# Altium PCB BitFury.PcbDoc (part 1 of 4) (continued)
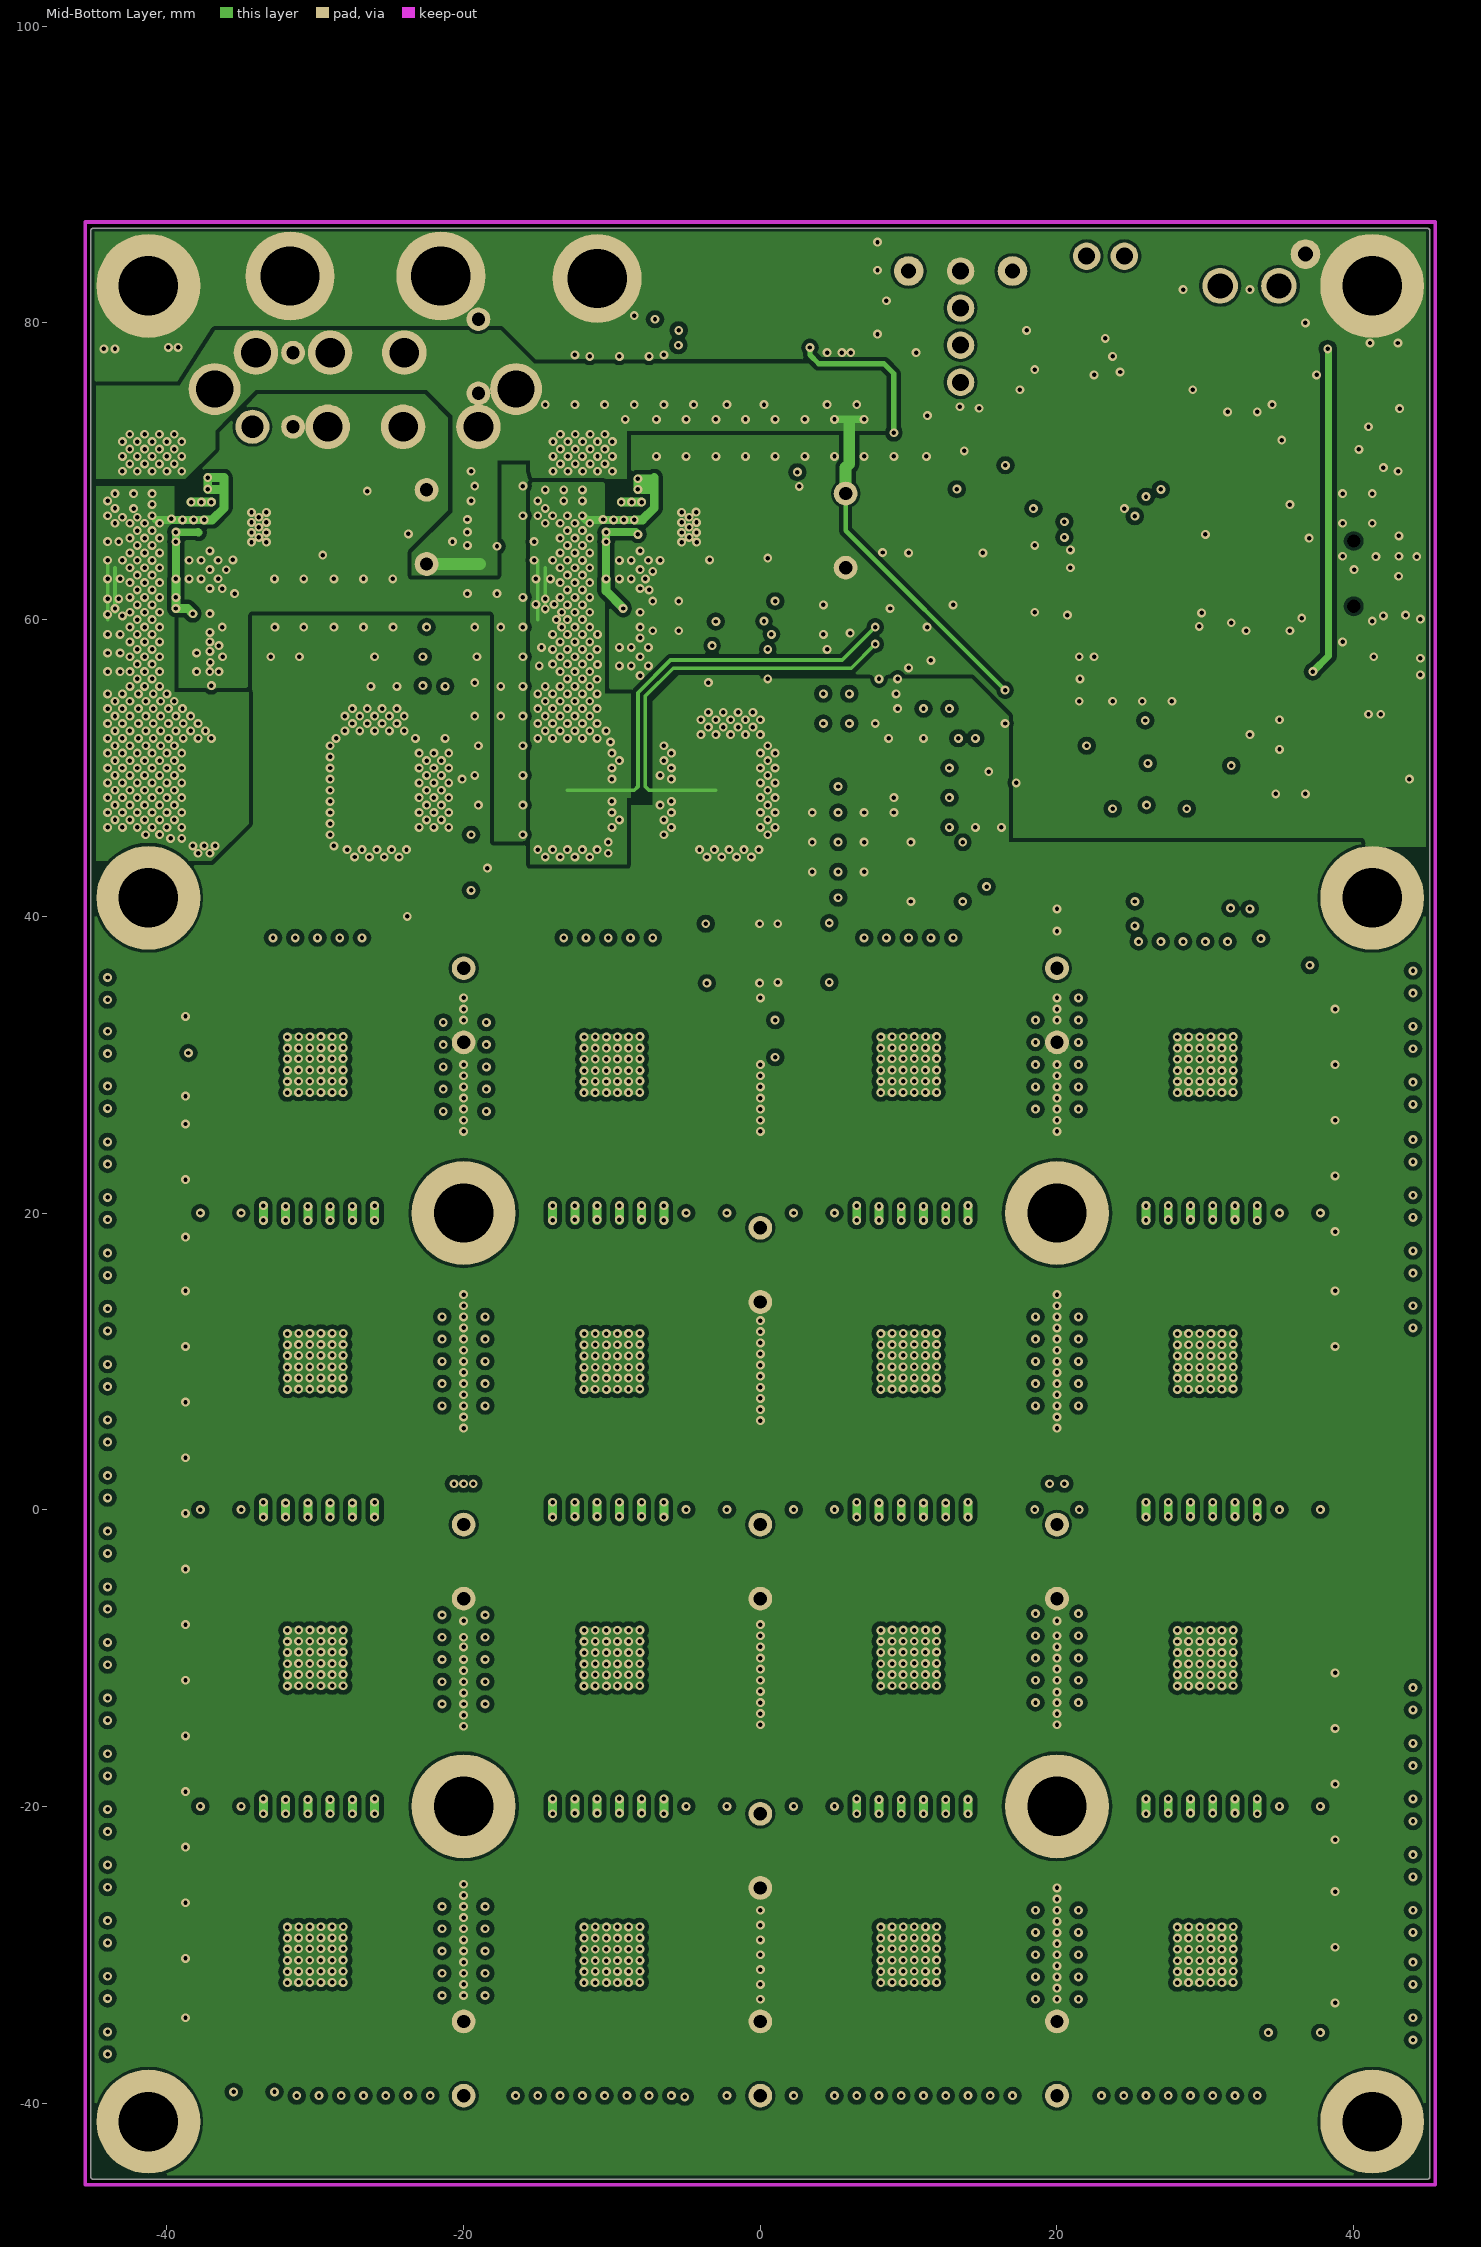
[diagram p3: Mid-Bottom Layer]
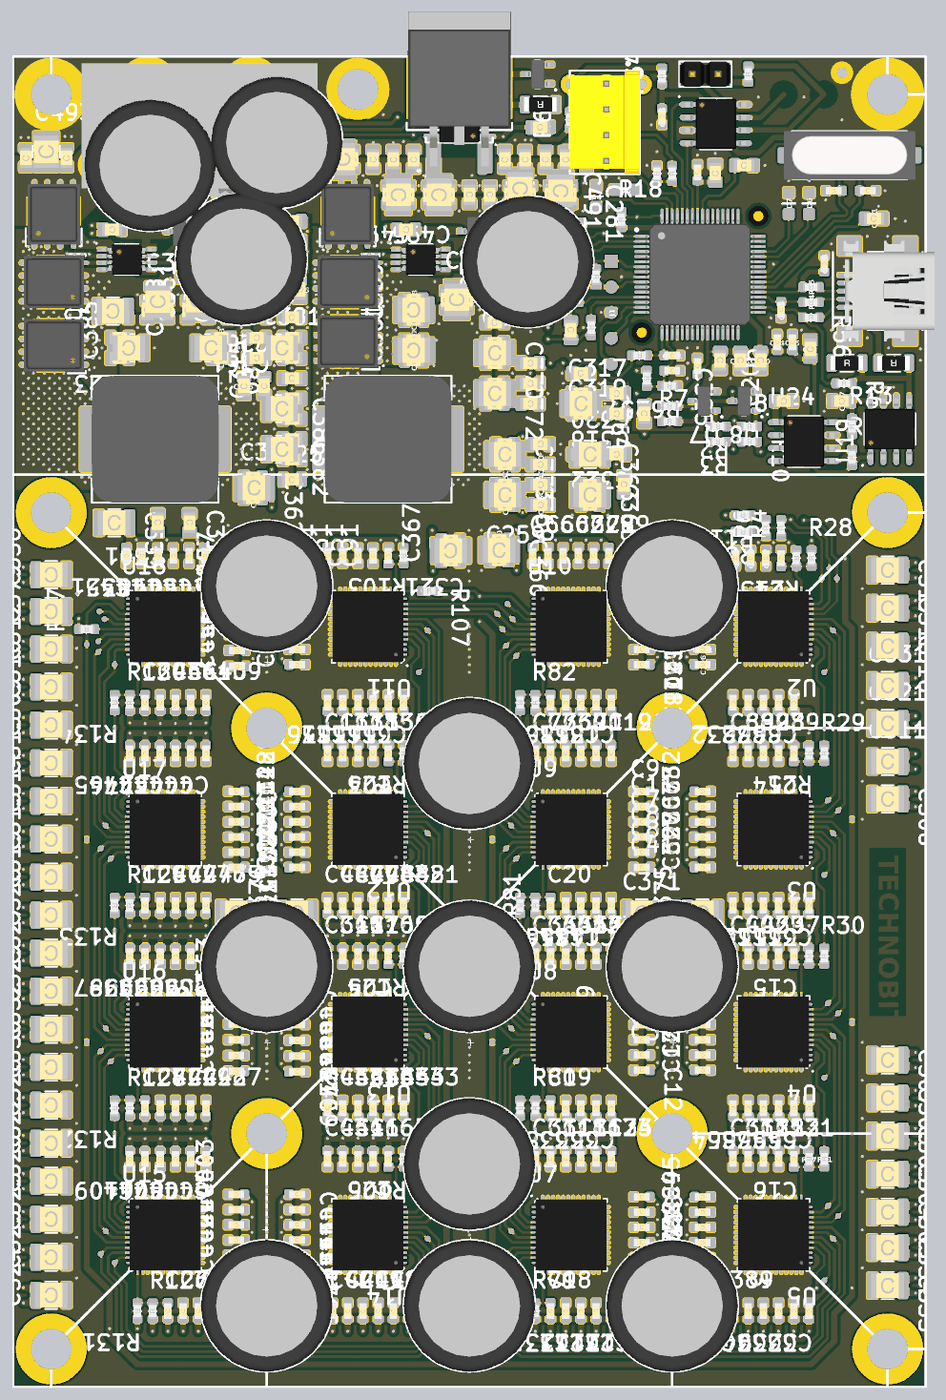
[diagram p7: 3D render of the assembled board from above, using the file's embedded part models]

## Layer stack, top to bottom
Top Layer: signal copper 0.0356
Dielectric: prepreg 0.32, FR-4, Dk 4.8
Mid-Top Layer: signal copper 0.0356
Dielectric: core 0.32, FR-4, Dk 4.8
Mid-Bottom Layer: signal copper 0.0356
Dielectric: prepreg 0.32, FR-4, Dk 4.8
Bottom Layer: signal copper 0.0356

## Board outline
-45.125,-45 ccw(c-45,-45) -45,-45.125 45,-45.125 ccw(c45,-45) 45.125,-45 45.125,86.25 ccw(c45,86.25) 45,86.375 -45,86.375 ccw(c-45,86.25) -45.125,86.25

## Design rules (kind name [scope] priority, off if disabled: settings)
Clearance ClearancePad [(InPadClass('All Pads'))] p1: gap=0.2
Clearance "Clearance Bord Outline" [(OnLayer('Keep-Out Layer'))] p2: gap=0.5
Clearance "Clearance Polygon" [InPolygon] p3: gap=0.3
Clearance "Clearance Component Footprint" [(InComponentClass('All Components'))] p4: gap=0.2
Clearance [All] p5: gap=0.25
ComponentClearance [All] p1: gap=0.25 collisioncheckmode=3 verticalgap=0.25 showdistances=FALSE
DiffPairsRouting [All] p1: maxlimit=0.25 minlimit=0.25 mostfreqgap=0.25 maxuncoupledlength=12.7
HoleToHoleClearance [All] p1: gap=0.15 allowstackedmicrovias=TRUE
MinimumSolderMaskSliver [All] p1: minsoldermaskwidth=0.1
PolygonConnect "PolygonConnect Relief Connect" [(IsNamedPolygon('T 1.2V AVALON')) or (IsNamedPolygon('ZZZT GND MCU HALF'))] p1 off: connectstyle=Relief reliefconductorwidth=0.25 reliefentries=4 polygonreliefangle="90 Angle"
PolygonConnect [All] p2: connectstyle=Direct reliefconductorwidth=0.254 reliefentries=4 polygonreliefangle="90 Angle"
RoutingVias [All] p1: holewidth=0.3 width=0.6 viastyle="Through Hole" minholewidth=0.3 minwidth=0.6 maxholewidth=0.5 maxwidth=1.3
SilkscreenOverComponentPads [All] p1: minsilkscreentomaskgap=0.254
SolderMaskExpansion [All] p1: expansion=0.1
Width [All] p1: maxlimit=2 minlimit=0.25 preferedwidth=0.25
23 further rules are at their usual default settings.

## Components (designator, comment, footprint, x,y, rotation, side; value= is the part's Value field where it differs from the comment)
C2 "470nF" SMD_0603_CAPC1608X80N 17,-6.25 r0 top
C3 "470nF" SMD_0603_CAPC1608X80N 17,-12.25 r0 top
C4 "470nF" SMD_0603_CAPC1608X80N 17,-9.25 r0 top
C5 "470nF" SMD_0603_CAPC1608X80N 17,-7.75 r0 top
C6 "470nF" SMD_0603_CAPC1608X80N 17,-10.75 r0 top
C7 "470nF" SMD_0603_CAPC1608X80N 17,10.75 r0 top
C8 "470nF" SMD_0603_CAPC1608X80N 17,9.25 r0 top
C9 "470nF" SMD_0603_CAPC1608X80N 17,13.75 r0 top
C11 "470nF" SMD_0603_CAPC1608X80N 17,12.25 r0 top
C12 "470nF" SMD_0603_CAPC1608X80N 23,-13.75 r180 top
C13 "470nF" SMD_0603_CAPC1608X80N 30.75,36.75 r270 top
C14 "470nF" SMD_0603_CAPC1608X80N 32,17.5 r270 top
C15 "470nF" SMD_0603_CAPC1608X80N 32,-2.5 r270 top
C16 "470nF" SMD_0603_CAPC1608X80N 32,-22.5 r270 top
C17 "10uF/16V" SMD_0805_CAPC2012X145N 27.1,75.5 r0 top
C18 "470nF" SMD_0603_CAPC1608X80N 8,-37.5 r90 top
C19 "470nF" SMD_0603_CAPC1608X80N 8,-17.5 r90 top
C20 "470nF" SMD_0603_CAPC1608X80N 8,2.5 r90 top
C21 "470nF" SMD_0603_CAPC1608X80N 8,22.5 r90 top
C22 "470nF" SMD_0603_CAPC1608X80N -8,37 r270 top
C23 "470nF" SMD_0603_CAPC1608X80N -8,17.5 r270 top
C24 "470nF" SMD_0603_CAPC1608X80N -8,-2.5 r270 top
C25 "470nF" SMD_0603_CAPC1608X80N -8,-22.5 r270 top
C26 "470nF" SMD_0603_CAPC1608X80N -29.75,-37.5 r90 top
C27 "470nF" SMD_0603_CAPC1608X80N -32,-17.5 r90 top
C28 "470nF" SMD_0603_CAPC1608X80N -32,2.5 r90 top
C29 "470nF" SMD_0603_CAPC1608X80N -32,22.5 r90 top
C30 "470nF" SMD_0603_CAPC1608X80N 30.5,-37.5 r270 top
C32 "470nF" SMD_0603_CAPC1608X80N 33.5,-37.5 r270 top
C33 "470nF" SMD_0603_CAPC1608X80N 12.5,-17.5 r270 top
C34 "100nF" SMD_0603_CAPC1608X80N 30.375,58.05 r90 top
C35 "470nF" SMD_0603_CAPC1608X80N 14,-17.5 r270 top
C36 "470nF" SMD_0603_CAPC1608X80N 23,-12.25 r180 top
C37 "470nF" SMD_0603_CAPC1608X80N 30.5,-2.5 r90 top
C39 "470nF" SMD_0603_CAPC1608X80N 29,-2.5 r90 top
C40 "470nF" SMD_0603_CAPC1608X80N 26,-2.5 r90 top
C41 "470nF" SMD_0603_CAPC1608X80N 17,6.25 r0 top
C42 "470nF" SMD_0603_CAPC1608X80N 27.5,-2.5 r90 top
C43 "470nF" SMD_0603_CAPC1608X80N -14,-22.5 r90 top
C44 "470nF" SMD_0603_CAPC1608X80N -12.5,-22.5 r90 top
C46 "470nF" SMD_0603_CAPC1608X80N 27.5,-37.5 r270 top
C48 "470nF" SMD_0603_CAPC1608X80N 23,-6.25 r180 top
C49 "470nF" SMD_0603_CAPC1608X80N 32,-17.5 r270 top
C50 "470nF" SMD_0603_CAPC1608X80N 23,-7.75 r180 top
C51 "470nF" SMD_0603_CAPC1608X80N -11,37 r90 top
C52 "470nF" SMD_0603_CAPC1608X80N 23,-10.75 r180 top
C53 "470nF" SMD_0603_CAPC1608X80N 23,-9.25 r180 top
C54 "470nF" SMD_0603_CAPC1608X80N 26,-17.5 r270 top
C55 "470nF" SMD_0603_CAPC1608X80N 33.5,-17.5 r270 top
C56 "470nF" SMD_0603_CAPC1608X80N 27.5,-17.5 r270 top
C57 "470nF" SMD_0603_CAPC1608X80N 30.5,-17.5 r270 top
C58 "470nF" SMD_0603_CAPC1608X80N 29,-17.5 r270 top
C60 "470nF" SMD_0603_CAPC1608X80N 7.75,37 r90 top
C61 "470nF" SMD_0603_CAPC1608X80N -12.5,37 r90 top
C62 "470nF" SMD_0603_CAPC1608X80N 9.25,37 r90 top
C63 "22uF/6.3V" SMD_0805_CAPC2012X145N 33.625,57.4 r90 top
C64 "470nF" SMD_0603_CAPC1608X80N 23,33.75 r180 top
C66 "470nF" SMD_0603_CAPC1608X80N 6.25,37 r90 top
C67 "470nF" SMD_0603_CAPC1608X80N 23,10.75 r180 top
C68 "470nF" SMD_0603_CAPC1608X80N 23,12.25 r180 top
C69 "470nF" SMD_0603_CAPC1608X80N 9.5,17.5 r90 top
C70 "470nF" SMD_0603_CAPC1608X80N 11,17.5 r90 top
C71 "470nF" SMD_0603_CAPC1608X80N -14,37 r90 top
C72 "100nF" SMD_0603_CAPC1608X80N 10.9,65.275 r270 top
C73 "100nF" SMD_0603_CAPC1608X80N 22.5,55.7 r90 top
C74 "100nF" SMD_0603_CAPC1608X80N 22.5,74.8 r90 top
C75 "100nF" SMD_0603_CAPC1608X80N 31.875,58.05 r90 top
C76 "100nF" SMD_0603_CAPC1608X80N 6.05,60.95 r270 top
C77 "470nF" SMD_0603_CAPC1608X80N 6.5,17.5 r90 top
C78 "470nF" SMD_0603_CAPC1608X80N 12.25,37 r90 top
C79 "470nF" SMD_0603_CAPC1608X80N 13.75,37 r90 top
C80 "470nF" SMD_0603_CAPC1608X80N 23,9.25 r180 top
C81 "470nF" SMD_0603_CAPC1608X80N 17,7.75 r0 top
C82 "470nF" SMD_0603_CAPC1608X80N 29,22.5 r270 top
C83 "470nF" SMD_0603_CAPC1608X80N 27.5,22.5 r270 top
C84 "470nF" SMD_0603_CAPC1608X80N 32,22.5 r270 top
C85 "18pF" SMD_0603_CAPC1608X80N 39.3,73 r0 top
C86 "18pF" SMD_0603_CAPC1608X80N 35.95,73 r180 top
C87 "470nF" SMD_0603_CAPC1608X80N 30.5,22.5 r270 top
C88 "470nF" SMD_0603_CAPC1608X80N 26,17.5 r90 top
C89 "470nF" SMD_0603_CAPC1608X80N 30.5,17.5 r90 top
C90 "470nF" SMD_0603_CAPC1608X80N 23,7.75 r180 top
C91 "470nF" SMD_0603_CAPC1608X80N -9.5,37 r90 top
C92 "470nF" SMD_0603_CAPC1608X80N 27.5,17.5 r90 top
C93 "470nF" SMD_0603_CAPC1608X80N 29,17.5 r90 top
C94 "470nF" SMD_0603_CAPC1608X80N 23,-27.75 r180 top
C95 "470nF" SMD_0603_CAPC1608X80N 23,-26.25 r180 top
C96 "470nF" SMD_0603_CAPC1608X80N 23,-29.25 r180 top
C97 "470nF" SMD_0603_CAPC1608X80N 23,-33.75 r180 top
C98 "470nF" SMD_0603_CAPC1608X80N 23,-30.75 r180 top
C100 "470nF" SMD_0603_CAPC1608X80N 27.5,2.5 r270 top
C102 "470nF" SMD_0603_CAPC1608X80N 29,2.5 r270 top
C103 "470nF" SMD_0603_CAPC1608X80N 23,35.25 r180 top
C105 "470nF" SMD_0603_CAPC1608X80N 23,32.25 r180 top
C106 "470nF" SMD_0603_CAPC1608X80N 23,26.25 r180 top
C107 "470nF" SMD_0603_CAPC1608X80N 29.25,36.75 r90 top
C108 "470nF" SMD_0603_CAPC1608X80N 27.75,36.75 r90 top
C109 "470nF" SMD_0603_CAPC1608X80N 23,30.75 r180 top
C110 "470nF" SMD_0603_CAPC1608X80N 26.25,36.75 r90 top
C111 "470nF" SMD_0603_CAPC1608X80N 23,27.75 r180 top
C112 "470nF" SMD_0603_CAPC1608X80N 23,29.25 r180 top
C113 "470nF" SMD_0603_CAPC1608X80N 32,2.5 r270 top
C114 "470nF" SMD_0603_CAPC1608X80N 30.5,2.5 r270 top
C115 "470nF" SMD_0603_CAPC1608X80N 23,-37.5 r270 top
C116 "470nF" SMD_0603_CAPC1608X80N 9.5,-22.5 r90 top
C117 "470nF" SMD_0603_CAPC1608X80N 11,-22.5 r90 top
C118 "470nF" SMD_0603_CAPC1608X80N 8,-22.5 r90 top
C119 "470nF" SMD_0603_CAPC1608X80N 12.5,17.5 r90 top
C120 "470nF" SMD_0603_CAPC1608X80N 14,17.5 r90 top
C121 "470nF" SMD_0603_CAPC1608X80N 30.5,-22.5 r90 top
C122 "470nF" SMD_0603_CAPC1608X80N 17,-37.5 r270 top
C123 "470nF" SMD_0603_CAPC1608X80N 29,-22.5 r90 top
C124 "470nF" SMD_0603_CAPC1608X80N 12.5,-22.5 r90 top
C125 "470nF" SMD_0603_CAPC1608X80N 27.5,-22.5 r90 top
C126 "470nF" SMD_0603_CAPC1608X80N 17,-13.75 r0 top
C127 "470nF" SMD_0603_CAPC1608X80N 14,-37.5 r270 top
C128 "470nF" SMD_0603_CAPC1608X80N -17,12.25 r180 top
C129 "470nF" SMD_0603_CAPC1608X80N -17,13.75 r180 top
C130 "470nF" SMD_0603_CAPC1608X80N 9.5,-37.5 r270 top
C131 "470nF" SMD_0603_CAPC1608X80N 15.5,-37.5 r270 top
C132 "470nF" SMD_0603_CAPC1608X80N 12.5,-37.5 r270 top
C133 "470nF" SMD_0603_CAPC1608X80N 11,-37.5 r270 top
C134 "470nF" SMD_0603_CAPC1608X80N -17,10.75 r180 top
C135 "470nF" SMD_0603_CAPC1608X80N -11,17.5 r90 top
C136 "470nF" SMD_0603_CAPC1608X80N -9.5,17.5 r90 top
C137 "470nF" SMD_0603_CAPC1608X80N -14,17.5 r90 top
C138 "470nF" SMD_0603_CAPC1608X80N -12.5,17.5 r90 top
C139 "470nF" SMD_0603_CAPC1608X80N -17,7.75 r180 top
C140 "470nF" SMD_0603_CAPC1608X80N -17,9.25 r180 top
C142 "470nF" SMD_0603_CAPC1608X80N -17,6.25 r180 top
C144 "470nF" SMD_0603_CAPC1608X80N 9.5,2.5 r270 top
C145 "470nF" SMD_0603_CAPC1608X80N 12.5,2.5 r270 top
C146 "470nF" SMD_0603_CAPC1608X80N 11,2.5 r270 top
C148 "470nF" SMD_0603_CAPC1608X80N 14,2.5 r270 top
C149 "470nF" SMD_0603_CAPC1608X80N 17,-27.75 r0 top
C150 "470nF" SMD_0603_CAPC1608X80N 17,-26.25 r0 top
C152 "470nF" SMD_0603_CAPC1608X80N 17,-29.25 r0 top
C153 "470nF" SMD_0603_CAPC1608X80N 17,-33.75 r0 top
C154 "470nF" SMD_0603_CAPC1608X80N 17,-32.25 r0 top
C155 "470nF" SMD_0603_CAPC1608X80N 17,-30.75 r0 top
C156 "470nF" SMD_0603_CAPC1608X80N -12.5,22.5 r270 top
C157 "470nF" SMD_0603_CAPC1608X80N -11,22.5 r270 top
C158 "470nF" SMD_0603_CAPC1608X80N -9.5,22.5 r270 top
C159 "470nF" SMD_0603_CAPC1608X80N -14,22.5 r270 top
C160 "470nF" SMD_0603_CAPC1608X80N 17,29.25 r0 top
C161 "470nF" SMD_0603_CAPC1608X80N 17,32.25 r0 top
C162 "470nF" SMD_0603_CAPC1608X80N 17,33.75 r0 top
C163 "470nF" SMD_0603_CAPC1608X80N -8,22.5 r270 top
C164 "470nF" SMD_0603_CAPC1608X80N -16.5,-37.5 r270 top
C165 "470nF" SMD_0603_CAPC1608X80N -9.5,-22.5 r90 top
C166 "470nF" SMD_0603_CAPC1608X80N -11,-22.5 r90 top
C167 "470nF" SMD_0603_CAPC1608X80N -12.5,-2.5 r90 top
C169 "470nF" SMD_0603_CAPC1608X80N -9.5,-2.5 r90 top
C170 "470nF" SMD_0603_CAPC1608X80N -11,-2.5 r90 top
C171 "470nF" SMD_0603_CAPC1608X80N 17,27.75 r0 top
C172 "470nF" SMD_0603_CAPC1608X80N -17,26.25 r180 top
C173 "470nF" SMD_0603_CAPC1608X80N -23,6.25 r0 top
C174 "470nF" SMD_0603_CAPC1608X80N -23,7.75 r0 top
C175 "470nF" SMD_0603_CAPC1608X80N -17,29.25 r180 top
C176 "470nF" SMD_0603_CAPC1608X80N -17,33.75 r180 top
C177 "470nF" SMD_0603_CAPC1608X80N -17,32.25 r180 top
C178 "470nF" SMD_0603_CAPC1608X80N -17,30.75 r180 top
C179 "470nF" SMD_0603_CAPC1608X80N -23,10.75 r0 top
C180 "470nF" SMD_0603_CAPC1608X80N 11,22.5 r270 top
C181 "470nF" SMD_0603_CAPC1608X80N 14,22.5 r270 top
C182 "470nF" SMD_0603_CAPC1608X80N 17,26.25 r0 top
C183 "470nF" SMD_0603_CAPC1608X80N 9.5,22.5 r270 top
C184 "470nF" SMD_0603_CAPC1608X80N -23,12.25 r0 top
C185 "470nF" SMD_0603_CAPC1608X80N -23,13.75 r0 top
C187 "10uF/16V" SMD_0805_CAPC2012X145N 36.7,52.25 r180 top
C188 "10uF/16V" SMD_0805_CAPC2012X145N 3.625,68.986 r90 top
C189 "100nF/50V" SMD_0805_CAPC2012X145N -6.25,69.17 r180 top
C190 "10uF/16V" SMD_0805_CAPC2012X145N -2,72.6 r270 top
C191 "10uF/16V" SMD_0805_CAPC2012X145N 0,72.6 r270 top
C192 "10uF/16V" SMD_0805_CAPC2012X145N 2,72.6 r270 top
C193 "10uF/16V" SMD_0805_CAPC2012X145N -5.5,76.1 r90 top
C195 "10uF/16V" SMD_0805_CAPC2012X145N 5.5,76.1 r90 top
C196 "10uF/16V" SMD_0805_CAPC2012X145N -20.75,63.25 r270 top
C197 "10uF/16V" SMD_0805_CAPC2012X145N -11.5,76.1 r90 top
C198 "22uF/6.3V" SMD_0805_CAPC2012X145N -5.5,62.25 r180 top
C199 "22uF/6.3V" SMD_0805_CAPC2012X145N -0.25,62.25 r90 top
C200 "22uF/6.3V" SMD_0805_CAPC2012X145N 2.5,56 r0 top
C201 "22uF/6.3V" SMD_0805_CAPC2012X145N -2.25,62.25 r90 top
C202 "22uF/6.3V" SMD_0805_CAPC2012X145N -5.5,60.25 r180 top
C203 "22uF/6.3V" SMD_0805_CAPC2012X145N -5.5,56.25 r180 top
C204 "22uF/6.3V" SMD_0805_CAPC2012X145N 2.5,52 r0 top
C205 "22uF/6.3V" SMD_0805_CAPC2012X145N 2.5,60 r0 top
C206 "22uF/6.3V" SMD_0805_CAPC2012X145N 31,52.25 r180 top
C207 "10uF/16V" SMD_0805_CAPC2012X145N -4,72.6 r270 top
C208 "(OPT)2200uF/16V" PTH_CAPPR500-1300X2250 -22.5,66.25 r90 top
C209 "1uF" SMD_0805_CAPC2012X145N 10,59.25 r270 top
C210 "(OPT)2200uF/16V" PTH_CAPPR500-1300X2250 -31.5,75.5 r270 top
C211 "22uF/6.3V" SMD_0805_CAPC2012X145N 39.9,70.25 r0 top
C213 "10uF/16V" SMD_0805_CAPC2012X145N 11.5,76.1 r270 top
C214 "10uF/16V" SMD_0805_CAPC2012X145N 3.5,76.1 r90 top
C215 "10uF/16V" SMD_0805_CAPC2012X145N -21.75,66.75 r180 top
C216 "10uF/16V" SMD_0805_CAPC2012X145N -16.75,63.25 r270 top
C217 "10uF/16V" SMD_0805_CAPC2012X145N -18.75,63.25 r270 top
C218 "10uF/16V" SMD_0805_CAPC2012X145N -17.5,70 r0 top
C219 "10uF/16V" SMD_0805_CAPC2012X145N -17.5,66 r0 top
C220 "22uF/6.3V" SMD_0805_CAPC2012X145N -34.5,58.5 r180 top
C221 "22uF/6.3V" SMD_0805_CAPC2012X145N -34.5,60.5 r180 top
C222 "22uF/6.3V" SMD_0805_CAPC2012X145N 11.9,44 r0 top
C223 "22uF/6.3V" SMD_0805_CAPC2012X145N 11.9,42 r0 top
C224 "22uF/6.3V" SMD_0805_CAPC2012X145N -17.5,50.5 r0 top
C225 "22uF/6.3V" SMD_0805_CAPC2012X145N -17.5,52.5 r0 top
C226 "22uF/6.3V" SMD_0805_CAPC2012X145N -22.25,53.75 r90 top
C227 "22uF/6.3V" SMD_0805_CAPC2012X145N -17.5,58.5 r0 top
C228 "(OPT)ТМ0J332M-RBJ21" PTH_CAPPR500-1300X2250 0,16.5 r90 top
C229 "22uF/6.3V" SMD_0805_CAPC2012X145N 10.1,69.627 r180 top
C231 "10uF/16V" SMD_0805_CAPC2012X145N 7,79.25 r0 top
C233 "22uF/6.3V" SMD_0805_CAPC2012X145N 3.9,62.85 r270 top
C234 "22uF/6.3V" SMD_0805_CAPC2012X145N 17.25,51 r270 top
C237 "22uF/6.3V" SMD_0805_CAPC2012X145N 24.25,74.75 r90 top
C238 "(OPT)ТМ0J332M-RBJ21" PTH_CAPPR500-1300X2250 -20,-3.5 r90 top
C239 "(OPT)ТМ0J332M-RBJ21" PTH_CAPPR500-1300X2250 20,-3.5 r90 top
C240 "22uF/6.3V" SMD_0805_CAPC2012X145N -5.5,58.25 r180 top
C241 "22uF/6.3V" SMD_0805_CAPC2012X145N -31.775,61.25 r90 top
C242 "22uF/6.3V" SMD_0805_CAPC2012X145N -21,56.5 r180 top
C243 "22uF/6.3V" SMD_0805_CAPC2012X145N 11,47 r0 top
C244 "22uF/6.3V" SMD_0805_CAPC2012X145N 2.5,54 r0 top
C245 "22uF/6.3V" SMD_0805_CAPC2012X145N 3.5,44 r0 top
C246 "22uF/6.3V" SMD_0805_CAPC2012X145N -24.5,56.5 r0 top
C247 "22uF/6.3V" SMD_0805_CAPC2012X145N -21.35,42.7 r0 top
C248 "22uF/6.3V" SMD_0805_CAPC2012X145N 26.725,56.25 r270 top
C249 "22uF/6.3V" SMD_0805_CAPC2012X145N 24.725,56.25 r270 top
C250 "22uF/6.3V" SMD_0805_CAPC2012X145N 28.725,56.25 r270 top
C251 "1nF" SMD_0603_CAPC1608X80N 20,56.75 r0 top
C252 "1uF/16V" SMD_0805_CAPC2012X145N 1.8,65.25 r270 top
C253 "100pF" SMD_0603_CAPC1608X80N 30.75,61.25 r90 top
C254 "100pF" SMD_0603_CAPC1608X80N 35,65.8 r270 top
C255 "100nF" SMD_0603_CAPC1608X80N 19,80.3 r270 top
C256 "(OPT)ТМ0J332M-RBJ21" PTH_CAPPR500-1300X2250 0,-23 r90 top
C257 "(OPT)ТМ0J332M-RBJ21" PTH_CAPPR500-1300X2250 0,-37 r270 top
C258 "22uF/6.3V" SMD_0805_CAPC2012X145N -17.5,44.5 r0 top
C259 "22uF/6.3V" SMD_0805_CAPC2012X145N 2.925,36.55 r0 top
C260 "22uF/6.3V" SMD_0805_CAPC2012X145N -21,60.5 r180 top
C261 "22uF/6.3V" SMD_0805_CAPC2012X145N -21,58.5 r180 top
C262 "22uF/6.3V" SMD_0805_CAPC2012X145N -23.775,61.25 r90 top
C263 "10uF/16V" SMD_0805_CAPC2012X145N -41.75,76.25 r90 top
C264 "10uF/16V" SMD_0805_CAPC2012X145N -17.5,68 r0 top
C265 "10uF/16V" SMD_0805_CAPC2012X145N -13.5,76.1 r90 top
C266 "10uF/16V" SMD_0805_CAPC2012X145N 9.5,76.1 r90 top
C267 "10uF/16V" SMD_0805_CAPC2012X145N -6,72.6 r270 top
C268 "10uF/16V" SMD_0805_CAPC2012X145N 10,72.6 r270 top
C269 "10uF/16V" SMD_0805_CAPC2012X145N -7.5,76.1 r90 top
C270 "10uF/16V" SMD_0805_CAPC2012X145N -9.5,76.1 r90 top
C271 "(OPT)ТМ0J332M-RBJ21" PTH_CAPPR500-1300X2250 0,-3.5 r90 top
C272 "(OPT)2200uF/16V" PTH_CAPPR500-1300X2250 -19,77.75 r90 top
C273 "10uF/16V" SMD_0805_CAPC2012X145N -39.75,76.25 r90 top
C274 "10uF/16V" SMD_0805_CAPC2012X145N 7.5,76.1 r90 top
C275 "10uF/16V" SMD_0805_CAPC2012X145N 6,72.6 r270 top
C276 "10uF/16V" SMD_0805_CAPC2012X145N 8,72.6 r270 top
C277 "10uF/16V" SMD_0805_CAPC2012X145N 4,72.6 r270 top
C278 "10uF/16V" SMD_0805_CAPC2012X145N -8,72.6 r270 top
C279 "10uF/16V" SMD_0805_CAPC2012X145N -24.15,64.75 r90 top
C280 "10uF/16V" SMD_0805_CAPC2012X145N -43.75,76.25 r90 top
C281 "(OPT)2200uF/16V" PTH_CAPPR500-1300X2250 5.75,66 r270 top
C282 "(OPT)ТМ0J332M-RBJ21" PTH_CAPPR500-1300X2250 -20,34 r90 top
C283 "22uF/6.3V" SMD_0805_CAPC2012X145N -24.5,58.5 r0 top
C284 "22uF/6.3V" SMD_0805_CAPC2012X145N -29.775,61.25 r90 top
C285 "22uF/6.3V" SMD_0805_CAPC2012X145N -17.5,48.5 r0 top
C286 "22uF/6.3V" SMD_0805_CAPC2012X145N -17.5,56.5 r0 top
C287 "22uF/6.3V" SMD_0805_CAPC2012X145N -17.5,54.5 r0 top
C288 "22uF/6.3V" SMD_0805_CAPC2012X145N 3.5,48 r0 top
C289 "22uF/6.3V" SMD_0805_CAPC2012X145N 6,54 r180 top
C290 "22uF/6.3V" SMD_0805_CAPC2012X145N 6,56 r180 top
C291 "22uF/6.3V" SMD_0805_CAPC2012X145N -27.775,61.25 r90 top
C292 "22uF/6.3V" SMD_0805_CAPC2012X145N -25.775,61.25 r90 top
C293 "22uF/6.3V" SMD_0805_CAPC2012X145N 6,52 r180 top
C294 "22uF/6.3V" SMD_0805_CAPC2012X145N -17.5,46.5 r0 top
C295 "22uF/6.3V" SMD_0805_CAPC2012X145N -17.5,60.5 r0 top
C296 "22uF/6.3V" SMD_0805_CAPC2012X145N 11,55 r0 top
C297 "22uF/6.3V" SMD_0805_CAPC2012X145N 7,48 r180 top
C298 "22uF/6.3V" SMD_0805_CAPC2012X145N -1.85,38.5 r180 top
C299 "22uF/6.3V" SMD_0805_CAPC2012X145N 3.5,42 r0 top
C300 "22uF/6.3V" SMD_0805_CAPC2012X145N 2.925,38.55 r0 top
C301 "22uF/6.3V" SMD_0805_CAPC2012X145N -30.75,40.25 r270 top
C302 "22uF/6.3V" SMD_0805_CAPC2012X145N 3.5,46 r0 top
C303 "22uF/6.3V" SMD_0805_CAPC2012X145N 7,46 r180 top
C304 "22uF/6.3V" SMD_0805_CAPC2012X145N 7,44 r180 top
C305 "22uF/6.3V" SMD_0805_CAPC2012X145N 7,42 r180 top
C306 "22uF/6.3V" SMD_0805_CAPC2012X145N 15.25,44 r270 top
C307 "(OPT)ТМ0J332M-RBJ21" PTH_CAPPR500-1300X2250 -20,-37 r270 top
C308 "10uF/16V" SMD_0805_CAPC2012X145N -25.375,68.986 r90 top
C309 "(OPT)ТМ0J332M-RBJ21" PTH_CAPPR500-1300X2250 20,34 r90 top